# KiCad board FMC_MIPI_v2.kicad_pcb (continued)
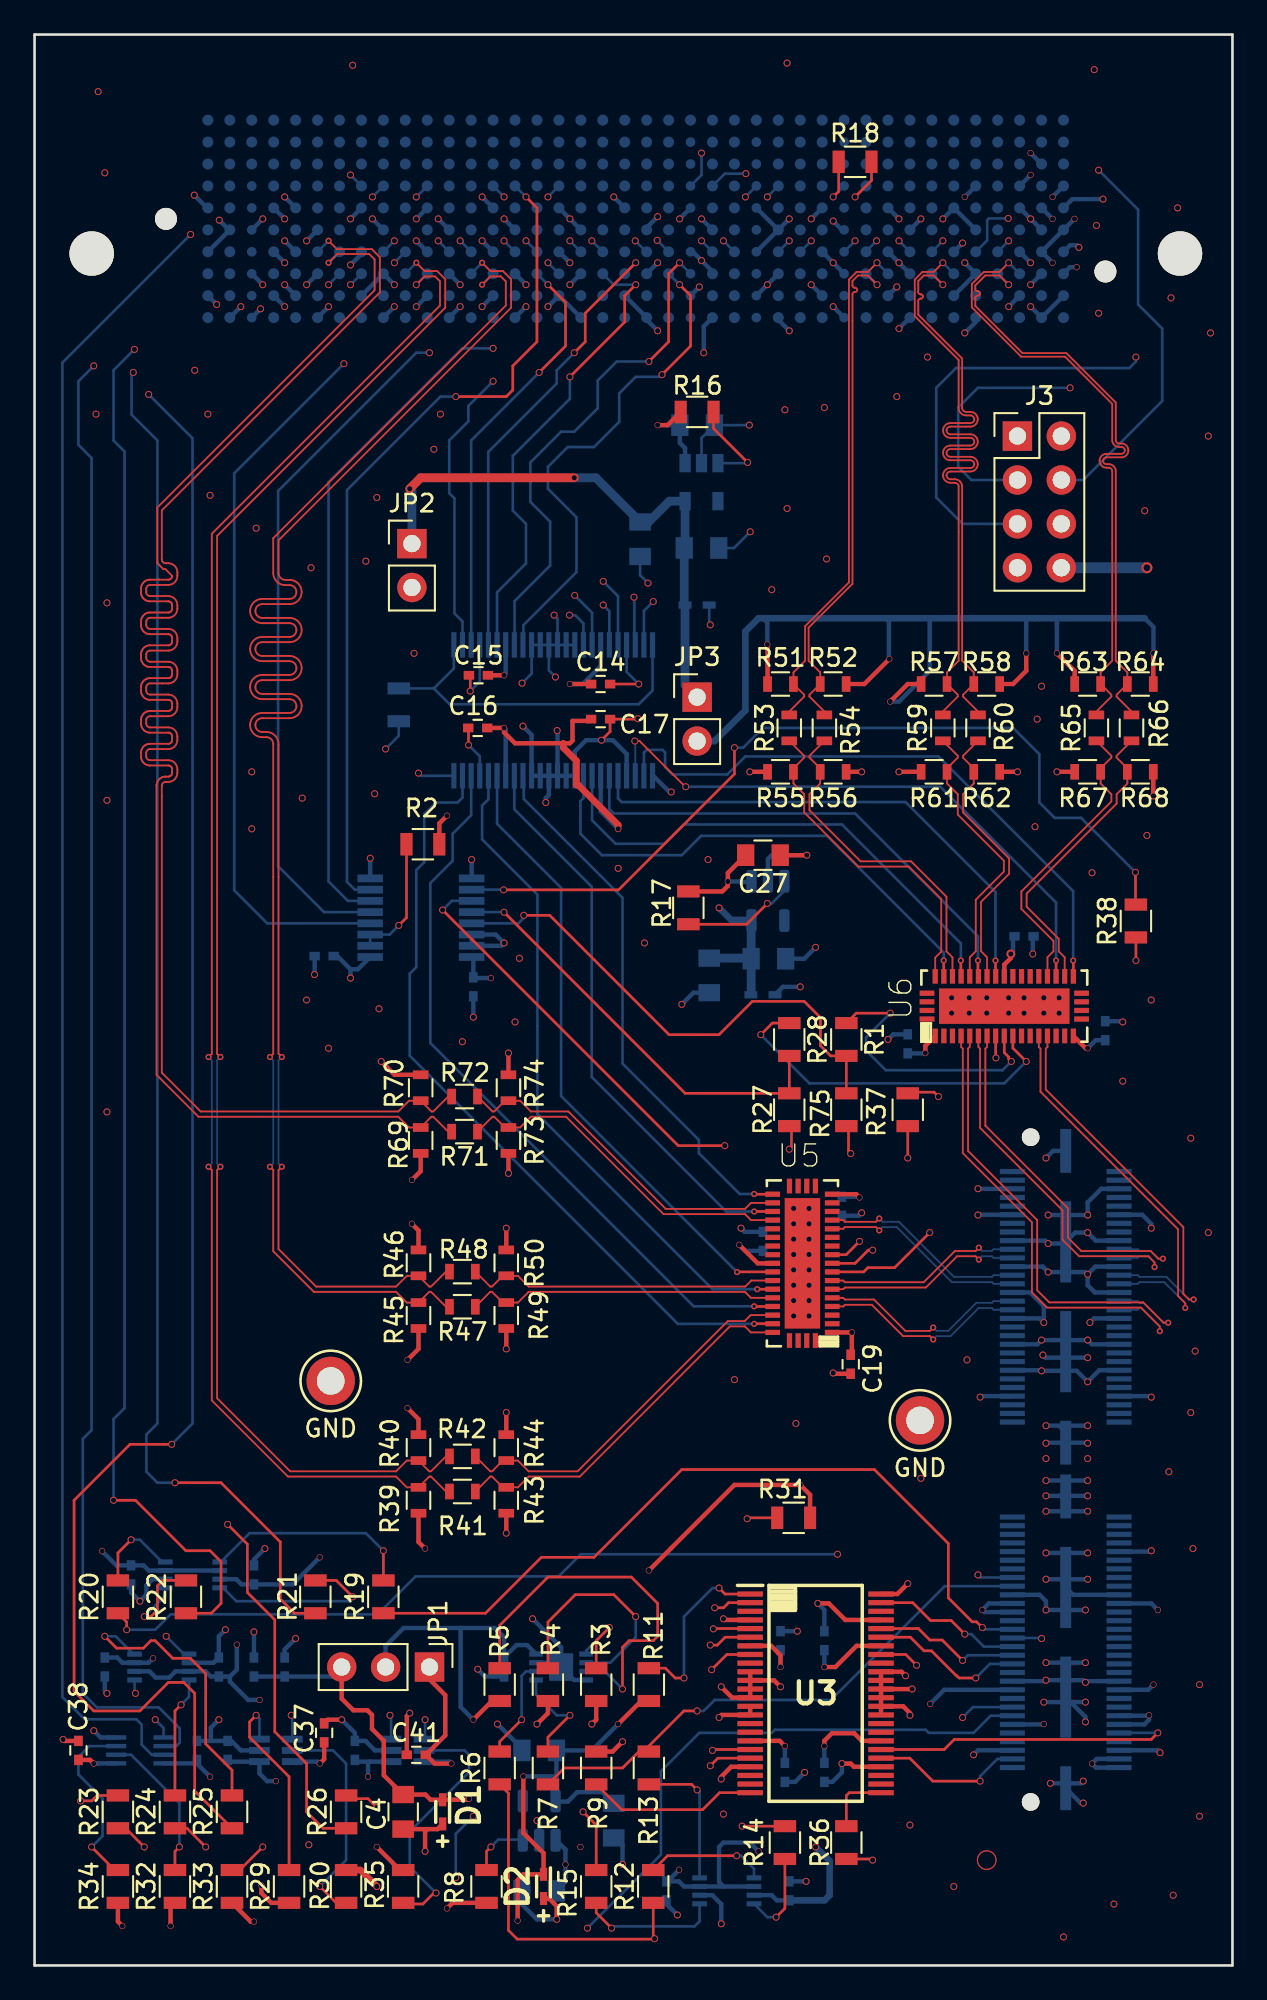
[diagram p0: board, top side]
## Footprints (pads in the part's own frame, mm; a bottom-side part is the same pattern mirrored in y, then rotated) (continued)
  rect 2.54x0.638 smd: G1(-18.443,0) G4(-1.554,0) G5(1.554,0) G8(18.443,0)
  rect 4.699x0.638 smd: G2(-13.175,0) G3(-6.825,0) G6(6.825,0) G7(13.175,0)
R_0603
  rect 0.5x0.9 smd: 1(-0.75,0) 2(0.75,0)
R_0805
  rect 0.7x1.3 smd: 1(-0.95,0) 2(0.95,0)
SN74AVC2T45DCUR
  rect 1.168x0.254 smd: 1(-1.372,0.75) 2(-1.372,0.25) 3(-1.372,-0.25) 4(-1.372,-0.75) 5(1.372,-0.75) 6(1.372,-0.25) 7(1.372,0.25) 8(1.372,0.75)
SODFL1608X70N
  rect 0.75x0.42 smd: 1(-0.7,0) 2(0.7,0)
SON50P300X200X60-9N
  rect 0.8x0.3 smd: 1(-1.45,0.75) 2(-1.45,0.25) 3(-1.45,-0.25) 4(-1.45,-0.75) 5(1.45,-0.75) 6(1.45,-0.25) 7(1.45,0.25) 8(1.45,0.75)
  rect 1.4x1.6 smd: 9(0,0)
SOP50P310X90-8N
  rect 0.85x0.3 smd: 1(-1.575,0.75) 2(-1.575,0.25) 3(-1.575,-0.25) 4(-1.575,-0.75) 5(1.575,-0.75) 6(1.575,-0.25) 7(1.575,0.25) 8(1.575,0.75)
SOP50P810X120-48N
  rect 1.475x0.3 smd: 1(-3.788,5.75) 2(-3.788,5.25) 3(-3.788,4.75) 4(-3.788,4.25) 5(-3.788,3.75) 6(-3.788,3.25) 7(-3.788,2.75) 8(-3.788,2.25) 9(-3.788,1.75) 10(-3.788,1.25) 11(-3.788,0.75) 12(-3.788,0.25) 13(-3.788,-0.25) 14(-3.788,-0.75) 15(-3.788,-1.25) 16(-3.788,-1.75) 17(-3.788,-2.25) 18(-3.788,-2.75) 19(-3.788,-3.25) 20(-3.788,-3.75) 21(-3.788,-4.25) 22(-3.788,-4.75) 23(-3.788,-5.25) 24(-3.788,-5.75) 25(3.788,-5.75) 26(3.788,-5.25) 27(3.788,-4.75) 28(3.788,-4.25) 29(3.788,-3.75) 30(3.788,-3.25) 31(3.788,-2.75) 32(3.788,-2.25) 33(3.788,-1.75) 34(3.788,-1.25) 35(3.788,-0.75) 36(3.788,-0.25) 37(3.788,0.25) 38(3.788,0.75) 39(3.788,1.25) 40(3.788,1.75) 41(3.788,2.25) 42(3.788,2.75) 43(3.788,3.25) 44(3.788,3.75) 45(3.788,4.25) 46(3.788,4.75) 47(3.788,5.25) 48(3.788,5.75)
SOP65P640X120-16N
  rect 1.475x0.45 smd: 1(-2.938,2.275) 2(-2.938,1.625) 3(-2.938,0.975) 4(-2.938,0.325) 5(-2.938,-0.325) 6(-2.938,-0.975) 7(-2.938,-1.625) 8(-2.938,-2.275) 9(2.938,-2.275) 10(2.938,-1.625) 11(2.938,-0.975) 12(2.938,-0.325) 13(2.938,0.325) 14(2.938,0.975) 15(2.938,1.625) 16(2.938,2.275)
SOT65P210X110-6N
  rect 1.2x0.4 smd: 1(-0.95,0.65) 2(-0.95,0) 3(-0.95,-0.65) 4(0.95,-0.65) 5(0.95,0) 6(0.95,0.65)
SOT-23-5
  rrect 1.325x0.6 smd: 1(-1.137,0.95) 2(-1.137,0) 3(-1.137,-0.95) 4(1.137,-0.95) 5(1.137,0.95)
SOT-23-5#2
  rect 1.06x0.65 smd: 1(-1.1,0.95) 2(-1.1,0) 3(-1.1,-0.95) 4(1.1,-0.95) 5(1.1,0.95)
TestPoint_Keystone_5010-5014_Multipurpose
  round 2.8 hole 1.6: 1(0,0)
TS3DDR3812RUAR
  rect 0.848x0.3 smd: 1(-1.725,3.998) 2(-1.725,3.498) 3(-1.725,3) 4(-1.725,2.499) 5(-1.725,1.999) 6(-1.725,1.499) 7(-1.725,0.998) 8(-1.725,0.498) 9(-1.725,0) 10(-1.725,-0.498) 11(-1.725,-0.998) 12(-1.725,-1.499) 13(-1.725,-1.999) 14(-1.725,-2.499) 15(-1.725,-3) 16(-1.725,-3.498) 17(-1.725,-3.998) 22(1.725,-3.998) 23(1.725,-3.498) 24(1.725,-3) 25(1.725,-2.499) 26(1.725,-1.999) 27(1.725,-1.499) 28(1.725,-0.998) 29(1.725,-0.498) 30(1.725,0) 31(1.725,0.498) 32(1.725,0.998) 33(1.725,1.499) 34(1.725,1.999) 35(1.725,2.499) 36(1.725,3) 37(1.725,3.498) 38(1.725,3.998)
  rect 0.3x0.848 smd: 18(-0.749,-4.473) 19(-0.249,-4.473) 20(0.249,-4.473) 21(0.749,-4.473) 39(0.749,4.473) 40(0.249,4.473) 41(-0.249,4.473) 42(-0.749,4.473)
  rect 2.05x7.549 smd: 43(0,0)

## Nets
/Jetson_connector/VCC_1V8_EEPROM: C3.1 IC2.8 JP1.2 R5.2
/VDD_VADJ: C1.2 C9.1 C10.1 C12.1 C14.1 C15.1 C33.1 C35.1 C37.2 C39.2 C40.2 IC1.1 IC3.7 IC4.7 IC5.7 IC6.6 IC7.1 J1.E39 J1.F40 J1.G39 J1.H40 R2.1 R35.1 U2.8 U3.7 U3.18 U8.7 U8.18
/FMC_Connector/DBG_IO_1: J1.G34 J3.1
/FMC_Connector/DBG_IO_2: J1.G37 J3.2
/FMC_Connector/DBG_IO_3: J1.G36 J3.3
/FMC_Connector/DBG_IO_4: J1.G31 J3.4
/FMC_Connector/DBG_IO_5: J1.D24 J3.5
/FMC_Connector/DBG_IO_6: J1.D23 J3.6
/FMC_Connector/TDI: J1.D30 R18.1
/FMC_Connector/TDO: J1.D31 R18.2
/Jetson_connector/EEPROM_A0: IC2.1 R3.1
/Jetson_connector/EEPROM_A1: IC2.2 R4.1
/Jetson_connector/EEPROM_A2: IC2.3 R5.1
/Jetson_connector/EEPROM_SCL: IC2.6 R6.1
/Jetson_connector/EEPROM_SDA: IC2.5 R7.1
/Jetson_connector/JT_VDD_1V2: J2.101 R29.1
/Jetson_connector/JT_VDD_2V8: J2.81 J2.82 J2.83 R32.1
/Jetson_connector/JT_VDD_3V3: J2.108 J2.110 R34.1
/Jetson_connector/JT_VDD_5V: J2.109 J2.118 J2.120
/LVDS_to_Jetson_lines/CSI_LP_C_CLK_N: U5.24 U8.41
/LVDS_to_Jetson_lines/CSI_LP_C_CLK_P: U5.22 U8.40
/LVDS_to_Jetson_lines/CSI_LP_C_D0_N: U5.33 U8.44
/LVDS_to_Jetson_lines/CSI_LP_C_D0_P: U5.31 U8.43
/LVDS_to_Jetson_lines/CSI_LP_C_D1_N: U5.37 U8.47
/LVDS_to_Jetson_lines/CSI_LP_C_D1_P: U5.35 U8.46
/LVDS_to_Jetson_lines/CSI_LP_D_CLK_N: U6.24 U8.27
/LVDS_to_Jetson_lines/CSI_LP_D_CLK_P: U6.22 U8.26
/LVDS_to_Jetson_lines/CSI_LP_D_D0_N: U6.33 U8.30
/LVDS_to_Jetson_lines/CSI_LP_D_D0_P: U6.31 U8.29
/LVDS_to_Jetson_lines/CSI_LP_D_D1_N: U6.37 U8.33
/LVDS_to_Jetson_lines/CSI_LP_D_D1_P: U6.35 U8.32
/LVDS_to_Jetson_lines/DIR_IC1: IC1.2 IC1.3 R2.2
/LVDS_to_Jetson_lines/DIR_U8: R10.1 U8.1 U8.24
/LVDS_to_Jetson_lines/EN_MIPI_OUT_CSI_C: IC1.11 R37.2
/LVDS_to_Jetson_lines/EN_MIPI_OUT_CSI_D: IC1.10 R38.2
/LVDS_to_Jetson_lines/EN_U5: R37.1 U5.8
/LVDS_to_Jetson_lines/EN_U6: R38.1 U6.8
/LVDS_to_Jetson_lines/HS_CSI_C_CLK_N: R71.1 R73.2 U5.25
/LVDS_to_Jetson_lines/HS_CSI_C_CLK_P: R72.1 R74.1 U5.23
/LVDS_to_Jetson_lines/HS_CSI_C_D0_N: R47.1 R49.2 U5.34
/LVDS_to_Jetson_lines/HS_CSI_C_D0_P: R48.1 R50.1 U5.32
/LVDS_to_Jetson_lines/HS_CSI_C_D1_N: R41.1 R43.2 U5.38
/LVDS_to_Jetson_lines/HS_CSI_C_D1_P: R42.1 R44.1 U5.36
/LVDS_to_Jetson_lines/HS_CSI_D_CLK_N: R65.1 R67.2 U6.25
/LVDS_to_Jetson_lines/HS_CSI_D_CLK_P: R66.1 R68.1 U6.23
/LVDS_to_Jetson_lines/HS_CSI_D_D0_N: R59.1 R61.2 U6.34
/LVDS_to_Jetson_lines/HS_CSI_D_D0_P: R60.1 R62.1 U6.32
/LVDS_to_Jetson_lines/HS_CSI_D_D1_N: R53.1 R55.2 U6.38
/LVDS_to_Jetson_lines/HS_CSI_D_D1_P: R54.1 R56.1 U6.36
/LVDS_to_Jetson_lines/SWITCH1_U5: R75.1 U5.9
/LVDS_to_Jetson_lines/SWITCH1_U6: R1.1 U6.9
/LVDS_to_Jetson_lines/SWITCH2_U5: R27.1 U5.10
/LVDS_to_Jetson_lines/SWITCH2_U6: R28.1 U6.10
/LVDS_to_Jetson_lines/SWITCH_CLOCK_LANES_CSI_CD: IC1.12 R27.2 R28.2
/LVDS_to_Jetson_lines/SWITCH_DATA_LANES_CSI_CD: IC1.13 R1.2 R75.2
/LVDS_to_Jetson_lines/VOLT_2P5_CSI_C: JP2.2 R39.1 R40.2 R45.1 R46.2 R69.1 R70.2
/LVDS_to_Jetson_lines/VOLT_2P5_CSI_D: JP3.2 R51.1 R52.2 R57.1 R58.2 R63.1 R64.2
/Slow_signals_level_shifters/1DIR_U3: R11.1 U3.1
/Slow_signals_level_shifters/2DIR_U3: R9.1 U3.24
/Slow_signals_level_shifters/ENN_JETSON_GPIO: IC7.4 R36.2
/VOLT_1P2: C16.1 C17.1 C28.2 C30.2 C36.2 D3.1 IC6.1 R30.1 U7.5 U8.31 U8.42
/VOLT_1P8: C8.2 C11.1 C13.1 C24.1 C29.2 C32.1 C34.1 C41.2 D2.1 IC3.3 IC3.6 IC4.3 IC4.6 IC5.3 IC5.6 IC7.6 JP1.1 R11.2 U1.5 U3.31 U3.42
/VOLT_2P5: C26.2 C31.2 D4.1 JP2.1 JP3.1 U4.5
/VOLT_3P3: C2.2 C7.2 C18.2 C19.2 C20.2 C21.2 C22.2 C23.2 C25.2 C27.2 C38.2 IC1.16 J1.C39 J1.D36 J1.D38 J1.D40 R8.1 R16.1 R17.1 R33.1 U1.1 U2.1 U4.1 U5.1 U5.17 U5.30 U6.1 U6.17 U6.30 U7.1
CSI_C_CLK_N: J2.27 U5.13
CSI_C_CLK_P: J2.25 U5.14
CSI_C_D0_N: J2.21 U5.6
CSI_C_D0_P: J2.19 U5.7
CSI_C_D1_N: J2.33 U5.4
CSI_C_D1_P: J2.31 U5.5
CSI_D_CLK_N: J2.28 U6.13
CSI_D_CLK_P: J2.26 U6.14
CSI_D_D0_N: J2.22 U6.6
CSI_D_D0_P: J2.20 U6.7
CSI_D_D1_N: J2.34 U6.4
CSI_D_D1_P: J2.32 U6.5
Earth: C1.1 C2.1 C3.2 C4.1 C5.1 C6.1 C7.1 C8.1 C9.2 C10.2 C11.2 C12.2 C13.2 C14.2 C15.2 C16.2 C17.2 C18.1 C19.1 C20.1 C21.1 C22.1 C23.1 C24.2 C25.1 C26.1 C27.1 C28.1 C29.1 C30.1 C31.1 C32.2 C33.2 C34.2 C35.2 C36.1 C37.1 C38.1 C39.1 C40.1 C41.1 D1.2 D2.2 D3.2 D4.2 IC1.8 IC1.9 IC1.14 IC1.15 IC2.4 IC2.7 IC2.9 IC3.2 IC4.2 IC5.2 IC6.2 IC7.2 J1.E1 J1.E4 J1.E5 J1.E8 J1.E11 J1.E14 J1.E17 J1.E20 J1.E23 J1.E26 J1.E29 J1.E32 J1.E35 J1.E38 J1.E40 J1.F2 J1.F3 J1.F6 J1.F9 J1.F12 J1.F15 J1.F18 J1.F21 J1.F24 J1.F27 J1.F30 J1.F33 J1.F36 J1.F39 J1.G1 J1.G4 J1.G5 J1.G8 J1.G11 J1.G14 J1.G17 J1.G23 J1.G26 J1.G29 J1.G32 J1.G35 J1.G38 J1.G40 J1.H3 J1.H6 J1.H9 J1.H12 J1.H15 J1.H18 J1.H21 J1.H24 J1.H27 J1.H30 J1.H33 J1.H36 J1.H39 J1.J1 J1.J4 J1.J5 J1.J8 J1.J11 J1.J14 J1.J17 J1.J20 J1.J23 J1.J26 J1.J29 J1.J32 J1.J35 J1.J38 J1.J40 J1.K2 J1.K3 J1.K6 J1.K9 J1.K12 J1.K15 J1.K18 J1.K21 J1.K24 J1.K27 J1.K30 J1.K33 J1.K36 J1.K39 J2.5 J2.6 J2.11 J2.12 J2.17 J2.18 J2.23 J2.24 J2.29 J2.30 J2.35 J2.36 J2.41 J2.42 J2.47 J2.48 J2.53 J2.54 J2.70 J2.79 J2.80 J2.99 J2.100 J2.115 J2.116 J2.G1 J2.G2 J2.G3 J2.G4 J2.G5 J2.G6 J2.G7 J2.G8 J3.7 J3.8 R3.2 R4.2 R9.2 R10.2 R43.1 R44.2 R49.1 R50.2 R55.1 R56.2 R61.1 R62.2 R67.1 R68.2 R73.1 R74.2 TP1.1 TP2.1 U1.2 U2.4 U3.4 U3.10 U3.11 U3.12 U3.13 U3.14 U3.15 U3.21 U3.28 U3.34 U3.35 U3.36 U3.37 U3.38 U3.39 U3.45 U3.48 U4.2 U5.43 U6.43 U7.2 U8.4 U8.10 U8.11 U8.12 U8.13 U8.14 U8.15 U8.21 U8.25 U8.28 U8.34 U8.35 U8.36 U8.37 U8.38 U8.39 U8.45 U8.48
FMC_1P2V_MONITOR: IC6.4 J1.H8
FMC_1P8V_MONITOR: J1.G27 U3.8
FMC_2P8V_MONITOR: J1.D8 U2.7
FMC_3P3V_MONITOR: J1.D9 U2.6
FMC_CAM0_MCLK: J1.G33 U3.2
FMC_CAM0_PWR: J1.G30 U3.5
FMC_CAM0_RST: J1.G28 U3.6
FMC_CSI_LP_C_CLK_N: J1.H23 U8.8
FMC_CSI_LP_C_CLK_P: J1.H22 U8.9
FMC_CSI_LP_C_D0_N: J1.H20 U8.5
FMC_CSI_LP_C_D0_P: J1.H19 U8.6
FMC_CSI_LP_C_D1_N: J1.H17 U8.2
FMC_CSI_LP_C_D1_P: J1.H16 U8.3
FMC_CSI_LP_D_CLK_N: J1.G22 U8.22
FMC_CSI_LP_D_CLK_P: J1.G21 U8.23
FMC_CSI_LP_D_D0_N: J1.G19 U8.19
FMC_CSI_LP_D_D0_P: J1.G18 U8.20
FMC_CSI_LP_D_D1_N: J1.G16 U8.16
FMC_CSI_LP_D_D1_P: J1.G15 U8.17
FMC_EN_MIPI_OUT_CLOCK_VADJ: IC1.7 J1.D15
FMC_EN_MIPI_OUT_DATA_VADJ: IC1.6 J1.D14
FMC_ENN_JT_GPIO_INPUT: IC7.3 J1.D17
FMC_GPIO9_OUT: J1.D27 U3.19
FMC_GPIO17_OUT: J1.D26 U3.20
FMC_HS_CSI_C_CLK_N: J1.G7 R69.2 R71.2
FMC_HS_CSI_C_CLK_P: J1.G6 R70.1 R72.2
FMC_HS_CSI_C_D0_N: J1.H14 R45.2 R47.2
FMC_HS_CSI_C_D0_P: J1.H13 R46.1 R48.2
FMC_HS_CSI_C_D1_N: J1.H11 R39.2 R41.2
FMC_HS_CSI_C_D1_P: J1.H10 R40.1 R42.2
FMC_HS_CSI_D_CLK_N: J1.H38 R63.2 R65.2
FMC_HS_CSI_D_CLK_P: J1.H37 R64.1 R66.2
FMC_HS_CSI_D_D0_N: J1.H35 R57.2 R59.2
FMC_HS_CSI_D_D0_P: J1.H34 R58.1 R60.2
FMC_HS_CSI_D_D1_N: J1.H32 R51.2 R53.2
FMC_HS_CSI_D_D1_P: J1.H31 R52.1 R54.2
FMC_I2C2_CAM_CLK: J1.G9 R21.2
FMC_I2C2_CAM_DAT: J1.D11 R22.2
FMC_I2C3_CAM_CLK: J1.H7 R25.2
FMC_I2C3_CAM_DAT: J1.G10 R26.2
FMC_I2C_CAM_CLK: J1.G25 R14.2
FMC_I2C_CAM_DAT: J1.G24 R15.2
FMC_SWITCH_CLOCK_LANES_VADJ: IC1.5 J1.G13
FMC_SWITCH_DATA_LANES_VADJ: IC1.4 J1.G12
JT_1p8V_CAM0_MCLK: J2.91 U3.47
JT_1p8V_CAM0_PWR: J2.93 U3.44
JT_1p8V_CAM0_RST: J2.95 U3.43
JT_1p8V_GPIO9_IN: J2.112 U3.30
JT_1p8V_GPIO17_IN: J2.117 U3.29
JT_1p8V_I2C2_CAM_CLK: J2.87 R19.1
JT_1p8V_I2C2_CAM_DAT: J2.89 R20.1
JT_1p8V_I2C3_CAM_CLK: J2.105 R23.1
JT_1p8V_I2C3_CAM_DAT: J2.107 R24.1
JT_1p8V_I2C_CAM_CLK: J2.75 R6.2 R12.1
JT_1p8V_I2C_CAM_DAT: J2.77 R7.2 R13.1
JT_VDD_1V8: C4.2 C5.2 C6.2 D1.1 J2.102 JP1.3 R31.2
Net-(IC3-Pad1): IC3.1 R15.1
Net-(IC3-Pad4): IC3.4 R13.2
Net-(IC3-Pad5): IC3.5 R12.2
Net-(IC3-Pad8): IC3.8 R14.1
Net-(IC4-Pad1): IC4.1 R22.1
Net-(IC4-Pad4): IC4.4 R20.2
Net-(IC4-Pad5): IC4.5 R19.2
Net-(IC4-Pad8): IC4.8 R21.1
Net-(IC5-Pad1): IC5.1 R26.1
Net-(IC5-Pad4): IC5.4 R24.2
Net-(IC5-Pad5): IC5.5 R23.2
Net-(IC5-Pad8): IC5.8 R25.1
Net-(IC6-Pad3): IC6.3 R29.2
Net-(IC6-Pad5): IC6.5 R30.2
Net-(IC7-Pad5): IC7.5 R35.2
Net-(R8-Pad2): R8.2 U1.3
Net-(R16-Pad2): R16.2 U4.3
Net-(R17-Pad2): R17.2 U7.3
Net-(R31-Pad1): R31.1 U3.41
Net-(R32-Pad2): R32.2 U2.2
Net-(R33-Pad2): R33.2 U2.5
Net-(R34-Pad2): R34.2 U2.3
Net-(R36-Pad1): R36.1 U3.25

Pads without a net: J1 A1 A2 A3 A4 A5 A6 A7 A8 A9 A10 A11 A12 A13 A14 A15 A16 A17 A18 A19 A20 A21 A22 A23 A24 A25 A26 A27 A28 A29 A30 A31 A32 A33 A34 A35 A36 A37 A38 A39 A40 B1 B2 B3 B4 B5 B6 B7 B8 B9 B10 B11 B12 B13 B14 B15 B16 B17 B18 B19 B20 B21 B22 B23 B24 B25 B26 B27 B28 B29 B30 B31 B32 B33 B34 B35 B36 B37 B38 B39 B40 C1 C2 C3 C4 C5 C6 C7 C8 C9 C10 C11 C12 C13 C14 C15 C16 C17 C18 C19 C20 C21 C22 C23 C24 C25 C26 C27 C28 C29 C30 C31 C32 C33 C34 C35 C36 C37 C38 C40 D1 D2 D3 D4 D5 D6 D7 D10 D12 D13 D16 D18 D19 D20 D21 D22 D25 D28 D29 D32 D33 D34 D35 D37 D39 E2 E3 E6 E7 E9 E10 E12 E13 E15 E16 E18 E19 E21 E22 E24 E25 E27 E28 E30 E31 E33 E34 E36 E37 F1 F4 F5 F7 F8 F10 F11 F13 F14 F16 F17 F19 F20 F22 F23 F25 F26 F28 F29 F31 F32 F34 F35 F37 F38 G2 G3 G20 H1 H2 H4 H5 H25 H26 H28 H29 J2 J3 J6 J7 J9 J10 J12 J13 J15 J16 J18 J19 J21 J22 J24 J25 J27 J28 J30 J31 J33 J34 J36 J37 J39 K1 K4 K5 K7 K8 K10 K11 K13 K14 K16 K17 K19 K20 K22 K23 K25 K26 K28 K29 K31 K32 K34 K35 K37 K38 K40; J2 1 2 3 4 7 8 9 10 13 14 15 16 37 38 39 40 43 44 45 46 49 50 51 52 55 56 57 58 59 60 61 62 63 64 65 66 67 68 69 71 72 73 74 76 78 84 85 86 88 90 92 94 96 97 98 103 104 106 111 113 114 119; U1 4; U3 3 9 16 17 22 23 26 27 32 33 40 46; U4 4; U5 2 3 11 12 15 16 18 19 20 21 26 27 28 29 39 40 41 42; U6 2 3 11 12 15 16 18 19 20 21 26 27 28 29 39 40 41 42; U7 4

## Via types
v1: diameter 0.356, hole 0.203, Top to Bottom, 37 vias
v2: diameter 0.406, hole 0.305, Top to Bottom, 473 vias
v3: diameter 0.356, hole 0.305, Top to Bottom, 71 vias
v4: diameter 1.143, hole 1.016, Top to Bottom, 1 via
v5: diameter 0.508, hole 0.305, Top to Bottom, 1 via
v6: diameter 0.635, hole 0.406, Top to Bottom, 1 via

## Routing (per net, layer and track width the routed paths; a pad name or vN(x,y) marks a point on that pad's centre or on a via; arc(x,y) is an arc through that point)
/Jetson_connector/VCC_1V8_EEPROM: length 19.9
  Top w0.254: R5.2 26.48,15.31 v3(25.4,14.22)
  Bottom w0.254: IC2.8 28.51,18.54 27.9,18.54 C3.1 27.18,19 26.64,19.53 24.66,19.53 ; JP1.2 20.32,18.49 21.36,19.53 24.66,19.53 ; 24.66,19.53 24.66,14.96 v3(25.4,14.22)
/VDD_VADJ: length 337.6
  Top w0.254: v3(16.51,11.68) 16.76,11.94 C37.2 ; U3.7 42.64,18.5 43.18,17.96 v3(43.18,17.27) ; C15.1 v3(27.18,74.68) ; R35.1 21.15,5.52 v3(19.81,6.86) ; v3(23.88,66.55) 23.43,66.1 R2.1 ; v3(43.43,12.7) 43.14,13 U3.18 ; C14.1 v3(30.99,74.17)
  In3.Cu w0.254: v3(6.86,17.78) 7.11,17.53 12.19,17.53 ; 11.84,10.77 11.68,10.92 v3(10.16,10.92) ; v3(23.88,66.55) 24.38,66.04 24.38,65.02 ; v3(58.93,98.55) 58.93,95.25 59.69,94.49 60.2,95 60.2,98.17 v3(60.33,98.3) ; v3(16.51,11.68) 16.51,10.92 ; 16.51,10.92 v3(19.3,10.92) ; 16.51,10.92 16.51,9.4 ; v3(43.43,12.7) 44.45,12.7 ; v3(16.51,23.62) 17.42,24.54 17.68,24.54 ; v3(60.2,101.09) 60.71,101.6 60.71,101.85 59.94,101.85 59.18,101.09 v3(58.93,101.09) ; v3(43.18,17.27) 44.45,17.27 ; v3(30.99,74.17) 30.99,73.66 30.86,73.53 29.21,73.53 29.21,74.42 28.45,75.18 27.69,75.18 v3(27.18,74.68)
  In3.Cu w0.381: 44.45,12.7 43.56,11.81 43.56,10.54 45.21,8.89 v2(45.21,6.86)
  In3.Cu w0.508: 59.69,94.49 59.69,94.36 66.8,87.25 66.8,51.82 59.69,44.7 59.69,33.92 47.24,21.47 47.24,20.07 44.45,17.27 44.45,12.7 ; 60.71,101.85 60.71,105.92 59.94,106.68 42.93,106.68 39.14,102.9 36.14,102.9 33.53,100.28 33.53,85.34 29.21,81.03 29.21,70.99 27.56,69.34 27.56,66.03 26.55,65.02 23.88,65.02 18.29,59.44 v2(18.29,57.15) 18.29,42.88 12.7,37.29 12.7,29.51 17.68,24.54 17.68,22.58 12.62,17.53 12.19,17.53 11.84,17.17 11.84,10.77 13.21,9.4 17.27,9.4 v3(19.81,6.86)
  Bottom w0.254: v3(16.51,23.62) 14.94,22.06 C33.1 11.98,22.06 11.68,22.36 IC4.7 ; C40.2 18.64,11.8 19.42,11.8 ; v3(27.18,74.68) 27.27,74.77 U8.7 ; U8.18 32.77,75.22 31.72,74.17 v3(30.99,74.17) ; IC1.1 18.72,57.66 18.29,57.66 ; 18.29,57.66 17.53,58.42 C1.2 ; 18.29,57.66 v2(18.29,57.15) ; 19.42,11.8 19.3,11.68 v3(19.3,10.92) ; 19.42,11.8 IC7.1 ; J1.H40 59.94,98.3 v3(60.33,98.3) ; C35.1 4.78,17.82 5.08,17.52 IC5.7 6.6,17.52 v3(6.86,17.78) ; U2.8 9.2,11.7 C39.2 9.4,11.68 v3(10.16,10.92) ; v3(16.51,11.68) 16.4,11.8 IC6.6 ; C12.1 42.97,3.77 42.67,4.07 IC3.7 ; v3(43.43,12.7) C10.1 ; v3(43.18,17.27) C9.1 ; J1.E39 v3(58.93,101.09) ; v3(58.93,98.55) J1.G39 J1.F40 v3(60.2,101.09)
  Bottom w0.381: C12.1 45.73,3.77 46.02,4.06 46.02,6.05 v2(45.21,6.86)
/FMC_Connector/DBG_IO_1: length 15.7
  In2.Cu w0.152: J3.1 56.92,88.54 56.92,94.16 55.63,95.45 55.63,98.81 54,100.43 53.21,100.43 52.6,99.82 v2(52.58,99.82)
  Bottom w0.152: J1.G34 v2(52.58,99.82)
/FMC_Connector/DBG_IO_2: length 14.1
  In2.Cu w0.152: v2(56.39,99.82) 56.87,99.34 57.99,99.34 58.39,98.93 58.39,96.72 58.78,96.34 58.78,90.5 59.44,89.84 J3.2
  Bottom w0.152: J1.G37 v2(56.39,99.82)
/FMC_Connector/DBG_IO_3: length 30.2
  In2.Cu w0.152: v2(59.94,91.31) 59.94,96.9 59.69,97.16 59.69,100.2 59.44,100.46 57.15,100.46 56.49,101.12 v2(56.36,101.12)
  Bottom w0.152: J1.G36 55.14,99.85 55.14,101.02 55.24,101.12 v2(56.36,101.12) ; v2(59.94,91.31) 54.61,91.31 53.47,90.17 53.47,86.74 54.23,85.98 J3.3
/FMC_Connector/DBG_IO_4: length 40.1
  In2.Cu w0.152: v2(61.59,103.91) 59.33,103.91 58.19,102.77 57.25,102.77 56.57,103.45 49.83,103.45 49.48,103.1 49.48,100.56 v2(48.74,99.82)
  Bottom w0.152: v2(61.59,103.91) 63.88,101.63 63.88,96.14 65.28,94.74 65.28,90.55 60.71,85.98 J3.4 ; v2(48.74,99.82) 48.13,99.21 J1.G31
/FMC_Connector/DBG_IO_5: length 63.6
  In2.Cu w0.152: v2(63.75,93.09) 63.75,99.92 65.23,101.4 65.23,103.96 63.32,105.87 51.26,105.87 49.1,103.71 v2(41.17,103.71)
  Bottom w0.152: J1.D24 39.95,103.71 v2(41.17,103.71) ; v2(63.75,93.09) 63.75,92.84 63.37,92.46 53.34,92.46 52.2,91.31 52.2,84.96 53.72,83.44 J3.5
/FMC_Connector/DBG_IO_6: length 59.2
  In2.Cu w0.152: J3.6 60.58,83.44 66.8,89.66 66.8,95.66 68.25,97.1 68.25,101.02 66.98,102.29 66.98,105.21 64.72,107.47 41.17,107.47 v2(38.61,104.9)
  Bottom w0.152: J1.D23 38.61,103.63 v2(38.61,104.9)
/FMC_Connector/TDI: length 3.1
  Top w0.152: R18.1 46.55,102.68 v2(46.23,102.36)
  Bottom w0.152: 46.86,103 v2(46.23,102.36)
/FMC_Connector/TDO: length 3.3
  Top w0.152: v2(47.5,102.36) 48.45,103.31 R18.2
  Bottom w0.152: J1.D31 v2(47.5,102.36)
/Jetson_connector/EEPROM_A0: length 4.8
  Top w0.152: R3.1 32.51,18.8 v2(33.27,19.56)
  Bottom w0.152: v2(33.27,19.56) 31.93,18.21 IC2.1
/Jetson_connector/EEPROM_A1: length 13.6
  Top w0.152: R4.1 29.72,19.88 31.31,21.46 33.53,21.46 v2(34.8,20.19)
  Bottom w0.152: v2(34.8,20.19) 34.8,18.99 33.33,17.52 IC2.2
/Jetson_connector/EEPROM_A2: length 22.6
  Top w0.152: R5.1 26.92,19.69 29.72,22.48 34.54,22.48 36.07,20.95 36.07,19.05 35.81,18.8 34.42,18.8 34.04,18.41 v2(34.04,16)
  Bottom w0.152: IC2.3 33.02,17.02 v2(34.04,16)
/Jetson_connector/EEPROM_SCL: length 5.9
  Top w0.152: R6.1 26.92,12.95 v2(28.19,14.22)
  Bottom w0.152: IC2.6 28.45,17.02 28.19,16.76 v2(28.19,14.22)
/Jetson_connector/EEPROM_SDA: length 5.9
  Top w0.152: R7.1 29.72,13.21 v2(30.99,14.48)
  Bottom w0.152: IC2.5 29.03,15.67 30.23,14.48 v2(30.99,14.48)
/Jetson_connector/JT_VDD_1V2: length 59
  Top w0.254: R29.1 13.7,3.62 13.13,4.19 v3(13.13,4.62)
  In2.Cu w0.254: v3(13.13,4.62) 14.33,3.43 20.98,3.43 23.77,6.22 24.26,6.22 25.65,7.62 29.06,7.62 29.82,6.86 v3(31.6,6.86)
  In3.Cu w0.254: v3(51.84,15.14) 51.84,7.72 47.8,3.68 43.54,3.68 42.39,4.83 33.63,4.83 v3(31.6,6.86)
  Bottom w0.254: J2.101 52.66,15.95 v3(51.84,15.14)
/Jetson_connector/JT_VDD_2V8: length 87.4
  Top w0.254: R32.1 7.87,3.37 v3(7.87,2.29)
  In3.Cu w0.254: 53.09,21.59 64.01,21.59 v3(65.02,20.57) ; 51.56,20.12 52.78,18.9 52.78,6.3 48.51,2.03 42.16,2.03 41.27,2.92 40.26,2.92 38.86,4.32 26.33,4.32 24.3,2.29 14.22,2.29 13.72,1.78 11.56,1.78 11.05,2.29 v3(7.87,2.29)
  In3.Cu w0.381: 51.54,20.14 52.98,21.59 53.09,21.59 54.1,20.57 v3(54.86,20.57)
  Bottom w0.254: J2.82 64.65,20.95 v3(65.02,20.57) ; J2.83 54.99,20.45 v3(54.86,20.57) 55.24,20.95 J2.81
/Jetson_connector/JT_VDD_3V3: length 76.4
  Top w0.254: R34.1 4.83,2.54 v3(5.08,2.29)
  In3.Cu w0.254: v3(64.52,14.48) 64.26,14.22 64.26,8.38 60.45,4.57 57.91,4.57 55.37,2.03 52.25,2.03 51.23,1.02 39.56,1.02 39.05,1.52 37.34,1.52 35.94,2.92 33.66,2.92 33.02,3.56 27.18,3.56 24.89,1.27 14.48,1.27 14.22,1.02 6.35,1.02 v3(5.08,2.29)
  Bottom w0.254: J2.110 64.24,13.95 64.52,14.22 v3(64.52,14.48) 64.49,14.45 J2.108
/Jetson_connector/JT_VDD_5V: length 18.4
  In3.Cu w0.381: v3(61.21,11.68) 59.79,11.68 59.79,12.6 v3(58.42,13.97) ; v4(55.12,6.1) 55.63,6.6 58.42,6.6 59.77,7.95 59.77,11.53
  Bottom w0.254: v3(58.42,13.97) 58.4,13.95 J2.109 ; J2.118 61.48,11.95 v3(61.21,11.68) 61.45,11.45 J2.120
/LVDS_to_Jetson_lines/CSI_LP_C_CLK_N: length 33
  Top w0.152: U5.24 41.66,43.64 v1(41.66,43.64)
  Bottom w0.152: U8.41 27.77,66.92 32.25,62.44 32.25,51.42 40.04,43.64 v1(41.66,43.64)
/LVDS_to_Jetson_lines/CSI_LP_C_CLK_P: length 31.2
  Top w0.152: v1(41.66,44.65) 41.67,44.64 U5.22
  Bottom w0.152: v1(41.66,44.65) 40.82,44.65 38.46,47.02 38.46,47.78 34.04,52.2 34.04,61.8 28.32,67.51 28.32,68.81
/LVDS_to_Jetson_lines/CSI_LP_C_D0_N: length 38.9
  Top w0.152: U5.33 v1(41.83,39.14)
  Bottom w0.152: 29.11,54.36 29.11,61.98 25.91,65.18 25.91,67.13 26.27,67.5 U8.44 ; 29.11,54.38 29.11,49.28 39.24,39.14 v1(41.83,39.14)
/LVDS_to_Jetson_lines/CSI_LP_C_D0_P: length 36.5
  Top w0.152: U5.31 40.68,40.14 v1(40.67,40.13)
  Bottom w0.152: U8.43 26.77,66.08 30.48,62.37 30.48,50.32 v1(40.67,40.13)
/LVDS_to_Jetson_lines/CSI_LP_C_D1_N: length 45.6
  Top w0.152: v1(41.66,37.13) 41.66,37.14 U5.37
  Bottom w0.152: v1(41.66,37.13) 37.24,37.13 21.72,52.65 21.72,57.4 22.1,57.78 22.1,63.4 22.56,63.86 22.56,66.62 23.24,67.31 24.49,67.31 24.77,67.6 U8.47
/LVDS_to_Jetson_lines/CSI_LP_C_D1_P: length 42.6
  Top w0.152: U5.35 41.67,38.14 v1(41.66,38.15)
  Bottom w0.152: U8.46 25.27,66.57 24.2,65.5 24.2,63.94 22.91,62.65 22.91,53.39 38.15,38.15 v1(41.66,38.15)
/LVDS_to_Jetson_lines/CSI_LP_D_CLK_N: length 34.5
  Top w0.102: 37.67,68.22 35.03,70.87 v2(34.75,70.87)
  Top w0.152: v1(59.13,58.17) 59.13,57.25 U6.24
  Bottom w0.102: v2(34.75,70.87) 34.77,70.84 U8.27
  Bottom w0.152: v1(59.13,58.17) 59.13,61.52 52.43,68.22 v2(37.69,68.22)
/LVDS_to_Jetson_lines/CSI_LP_D_CLK_P: length 35.9
  Top w0.152: v1(60.12,58.17) 60.13,58.16 U6.22
  Bottom w0.152: v1(60.12,58.17) 60.12,62.18 52.32,69.98 41.15,69.98 40.11,68.94 36.93,68.94 36.5,69.37 36.5,70.21 36.35,70.36 35.43,70.36 35.27,70.2 U8.26
/LVDS_to_Jetson_lines/CSI_LP_D_D0_N: length 28.6
  Top w0.152: U6.33 54.61,57.27 v1(54.61,58.17)
  Bottom w0.152: v1(54.61,58.17) 54.61,59.56 47.5,66.67 33.53,66.67 33.27,66.93 U8.30
/LVDS_to_Jetson_lines/CSI_LP_D_D0_P: length 30.3
  Top w0.152: U6.31 55.63,57.26 v1(55.63,58.17)
  Bottom w0.152: v1(55.63,58.17) 55.63,62.13 50.42,67.34 33.99,67.34 33.77,67.55 U8.29
/LVDS_to_Jetson_lines/CSI_LP_D_D1_N: length 29.6
  Top w0.152: U6.37 52.63,57.26 52.63,58.19
  Bottom w0.152: U8.33 31.77,67.56 31.6,67.39 31.6,65.51 32.84,64.26 37.47,64.26 38.58,65.38 45.87,65.38 52.63,58.62 52.63,58.19
  vias: v1(52.63,58.17)
/LVDS_to_Jetson_lines/CSI_LP_D_D1_P: length 29.8
  Top w0.152: v1(53.62,58.17) 53.62,57.26 U6.35
  Bottom w0.102: 32.31,68.9 32.32,68.9
  Bottom w0.152: v1(53.62,58.17) 53.62,59.16 46.74,66.04 37.59,66.04 36.47,64.92 33.63,64.92 32.27,66.28 U8.32 ; 32.32,68.9 32.32,68.82
/LVDS_to_Jetson_lines/DIR_IC1: length 7.4
  Top w0.152: R2.2 21.53,60.64 v2(21.08,60.2)
  Bottom w0.152: IC1.2 IC1.3 20.55,59.67 v2(21.08,60.2)
/LVDS_to_Jetson_lines/DIR_U8: length 21
  Bottom w0.152: U8.24 35.77,73.8 34.98,73 24.03,73 23.11,73.91 ; 23.11,73.91 24.27,75.07 U8.1 ; 23.11,73.91 R10.1
/LVDS_to_Jetson_lines/EN_MIPI_OUT_CSI_C: length 39.3
  Top w0.152: v2(39.95,47.45) 37.26,47.45 v2(23.62,61.09) ; v2(52.32,50.29) 52.07,50.55 50.61,50.55 R37.2
  In2.Cu w0.152: v2(52.32,50.29) 51.82,49.78 42.29,49.78 v2(39.95,47.45)
  Bottom w0.152: IC1.11 24.15,61.62 v2(23.62,61.09)
/LVDS_to_Jetson_lines/EN_MIPI_OUT_CSI_D: length 50.2
  Top w0.152: R38.2 63.73,61.43 v2(63.73,63.27) ; v2(40.51,70.48) 40.51,68.96 33.81,62.26 v2(27.15,62.26)
  Bottom w0.152: v2(40.51,70.48) 41.02,70.48 42.16,71.63 56.64,71.63 58.17,70.1 58.17,67.31 59.05,66.42 60.58,66.42 v2(63.73,63.27) ; v2(27.15,62.26) 27.14,62.27 IC1.10
/LVDS_to_Jetson_lines/EN_U5: length 13.3
  Top w0.152: U5.8 48,40.14 48.24,40.39 49.78,40.39 v2(51.82,42.42) ; v2(50.55,46.74) R37.1
  In2.Cu w0.152: v2(50.55,46.74) 51.82,45.47 v2(51.82,42.42)
/LVDS_to_Jetson_lines/EN_U6: length 13.1
  Top w0.152: v2(63.75,58.17) R38.1 ; v2(55.65,52.53) 55.64,52.54 U6.8
  In2.Cu w0.152: v2(55.65,52.53) 56.46,53.34 58.93,53.34 v2(63.75,58.17)
/LVDS_to_Jetson_lines/HS_CSI_C_CLK_N: length 20.4
  Top w0.102: R71.1 26.51,49.12 26.61,49.12 27.23,48.5 R73.2 28.11,48.5 28.73,49.12 30.77,49.12 36.41,43.49 41.13,43.49 41.47,43.14 U5.25
/LVDS_to_Jetson_lines/HS_CSI_C_CLK_P: length 20.4
  Top w0.102: R72.1 26.51,49.43 26.61,49.43 27.23,50.05 R74.1 28.11,50.05 28.73,49.43 30.9,49.43 36.54,43.79 41.12,43.79 41.47,44.14 U5.23
/LVDS_to_Jetson_lines/HS_CSI_C_D0_N: length 18.2
  Top w0.102: U5.34 41.47,38.64 41.12,38.99 28.6,38.99 27.98,38.37 R49.2 27.11,38.37 26.48,38.99 26.38,38.99 R47.1
/LVDS_to_Jetson_lines/HS_CSI_C_D0_P: length 18.2
  Top w0.102: U5.32 41.49,39.64 41.14,39.29 28.6,39.29 27.98,39.92 R50.1 27.11,39.92 26.48,39.29 26.38,39.29 R48.1
/LVDS_to_Jetson_lines/HS_CSI_C_D1_N: length 21.8
  Top w0.102: U5.38 41.46,36.64 41.12,36.99 40.25,36.99 31.56,28.3 28.6,28.3 27.98,27.67 R43.2 27.11,27.67 26.48,28.3 26.38,28.3 R41.1
/LVDS_to_Jetson_lines/HS_CSI_C_D1_P: length 21.8
  Top w0.102: U5.36 41.45,37.64 41.1,37.29 40.13,37.29 31.43,28.6 28.6,28.6 27.98,29.22 R44.1 27.11,29.22 26.48,28.6 26.38,28.6 R42.1
/LVDS_to_Jetson_lines/HS_CSI_D_CLK_N: length 17.6
  Top w0.102: R65.1 62.33,70.01 62.33,69.91 61.71,69.29 R67.2 61.71,68.41 62.33,67.79 62.33,67.37 57.12,62.17 57.12,61.15 58.98,59.3 58.98,58.7 58.63,58.35 U6.25
/LVDS_to_Jetson_lines/HS_CSI_D_CLK_P: length 17.6
  Top w0.102: U6.23 59.63,58.35 59.28,58.7 59.28,59.42 57.43,61.28 57.43,62.04 62.64,67.25 62.64,67.79 63.26,68.41 R68.1 63.26,69.29 62.64,69.91 62.64,70.01 R66.1
/LVDS_to_Jetson_lines/HS_CSI_D_D0_N: length 16.4
  Top w0.102: R59.1 53.44,70.01 53.44,69.91 52.82,69.29 R61.2 52.82,68.41 53.44,67.79 53.44,66.61 56.11,63.94 56.11,63.31 54.48,61.68 54.48,58.7 54.14,58.35 U6.34
/LVDS_to_Jetson_lines/HS_CSI_D_D0_P: length 16.4
  Top w0.102: U6.32 55.14,58.35 54.79,58.7 54.79,61.56 56.41,63.18 56.41,64.07 53.75,66.74 53.75,67.79 54.37,68.41 R62.1 54.37,69.29 53.75,69.91 53.75,70.01 R60.1
/LVDS_to_Jetson_lines/HS_CSI_D_D1_N: length 19.6
  Top w0.102: R53.1 44.55,70.01 44.55,69.91 43.93,69.29 R55.2 43.93,68.41 44.55,67.79 44.55,66.74 47.69,63.6 50.61,63.6 52.48,61.73 52.48,58.68 52.14,58.33 U6.38
/LVDS_to_Jetson_lines/HS_CSI_D_D1_P: length 19.6
  Top w0.102: U6.36 53.13,58.35 52.79,58.69 52.79,61.85 50.74,63.91 47.82,63.91 44.86,66.87 44.86,67.79 45.48,68.41 R56.1 45.48,69.29 44.86,69.91 44.86,70.01 R54.1
/LVDS_to_Jetson_lines/SWITCH1_U5: length 12.3
  Top w0.152: v2(47.24,46.99) 47.12,47.12 47.12,48.58 ; U5.9 47.5,40.64 48.26,41.4 v2(48.51,41.4)
  In2.Cu w0.152: v2(48.51,41.4) 49.2,41.4 50.29,42.49 50.29,43.94 v2(47.24,46.99)
/LVDS_to_Jetson_lines/SWITCH1_U6: length 16.3
  Top w0.152: v2(49.53,55.12) 47.56,55.12 R1.1 ; U6.9 56.13,52.83 56.39,52.58 56.39,52.48 v2(56.54,52.32)
  Bottom w0.152: v2(56.54,52.32) 56.03,51.82 49.28,51.82 48.13,52.96 48.13,53.72 v2(49.53,55.12)
/LVDS_to_Jetson_lines/SWITCH2_U5: length 10.4
  Top w0.152: v2(47.75,41.91) 46.98,41.14 U5.10 ; 43.82,48.58 43.82,47.37 v2(43.69,47.24)
  In2.Cu w0.152: v2(47.75,41.91) 47.62,41.91 46.48,43.05 46.48,44.45 v2(43.69,47.24)
/LVDS_to_Jetson_lines/SWITCH2_U6: length 20.8
  Top w0.152: v2(57.4,52.32) 56.63,53.1 U6.10 ; v2(42.04,53.87) 42.71,54.54 R28.1
  Bottom w0.152: v2(42.04,53.87) 44.86,51.05 56.13,51.05 v2(57.4,52.32)
/LVDS_to_Jetson_lines/SWITCH_CLOCK_LANES_CSI_CD: length 25
  Top w0.152: v2(27.18,60.96) 37.66,50.48 43.82,50.48 ; R27.2 R28.2
  Bottom w0.152: v2(27.18,60.96) 27.17,60.97 IC1.12
/LVDS_to_Jetson_lines/SWITCH_DATA_LANES_CSI_CD: length 30.1
  Top w0.152: v2(28.32,60.78) 29.82,60.78 36.73,53.87 39.62,53.87 41.55,55.8 44.55,55.8 45.49,54.86 45.49,53.24 46.09,52.64 R1.2 R75.2
  Bottom w0.152: v2(28.32,60.78) 28.32,60.63 28.01,60.32 IC1.13
/LVDS_to_Jetson_lines/VOLT_2P5_CSI_C: length 84.2
  Top w0.254: v3(22.61,24.13) 22.22,24.51 R39.1 ; v3(21.59,32.26) 22.22,31.62 R40.2 ; v2(20.07,52.32) 20.84,51.55 R70.2 ; v3(21.84,45.47) 22.35,45.97 R69.1 ; 22.22,41.39 22.22,42.55 v3(21.84,42.93) ; v3(21.59,35.05) 22.22,35.69 22.22,36.84
  In2.Cu w0.381: v2(20.07,52.32) 16.51,55.88 v2(15.75,55.88)
  In3.Cu w0.254: v3(21.84,42.93) 23.62,42.93 ; v3(21.84,45.47) 22.1,45.21 23.62,45.21 ; v3(21.59,32.26) 23.62,32.26 ; v3(21.59,35.05) 23.62,35.05
  In3.Cu w0.381: v2(20.07,52.32) 23.62,48.77 23.62,24.89 22.86,24.13 v3(22.61,24.13) ; v2(15.75,55.88) 14.22,57.4 14.22,62.48 17.42,65.68 17.42,74.45 20.04,77.06 21.18,77.06 21.84,77.72 JP2.2
/LVDS_to_Jetson_lines/VOLT_2P5_CSI_D: length 62.7
  Top w0.254: R51.1 42.43,76.45 v3(42.42,76.45) ; R52.2 48.03,74.17 v3(49.48,75.62) ; R64.2 64.76,75.93 v3(64.77,75.95) ; R63.1 60.21,74.92 v3(59.18,75.95) ; R58.2 56.64,74.17 57.4,74.93 v3(57.4,75.95) ; R57.1 50.55,74.17 v3(49.53,73.15)
  Bottom w0.254: v3(49.53,73.15) 50.04,73.15 51.82,74.93 51.82,77.98 ; v3(49.48,75.62) 49.45,75.64 49.45,77.8 49.28,77.98 ; v3(42.42,76.45) 42.42,77.72 42.16,77.98 ; v3(59.18,75.95) 59.18,77.72 ; v3(57.4,75.95) 57.4,77.98 ; 59.18,77.47 59.18,77.98 ; v3(64.77,75.95) 64.77,77.47 64.26,77.98
  Bottom w0.381: 64.26,77.98 41.91,77.98 41.15,77.22 41.15,72.64 39.37,70.87 JP3.2
/Slow_signals_level_shifters/1DIR_U3: length 10.5
  Top w0.152: U3.1 39.97,21.5 v2(39.62,21.84) ; R11.1 36.52,17.21 37.08,16.64 v2(37.59,16.64)
  Bottom w0.152: v2(39.62,21.84) 39.24,21.84 37.59,20.19 v2(37.59,16.64)
/Slow_signals_level_shifters/2DIR_U3: length 9.9
  Top w0.152: R9.1 33.97,9.02 38.67,9.02 39.65,10 U3.24
/Slow_signals_level_shifters/ENN_JETSON_GPIO: length 32.8
  Top w0.152: R36.2 48.45,6.16 v2(48.51,6.1)
  In2.Cu w0.152: v2(48.51,6.1) 46.48,8.13 42.16,8.13 41.15,7.11 32.51,7.11 31.75,7.87 30.48,7.87 24.13,14.22 v2(22.61,14.22)
  Bottom w0.152: v2(22.61,14.22) 22.61,13.16 IC7.4
